# Altium PCB ALTAIR_PD_Soldier_V26.1a.PcbDoc (part 1 of 2) (continued)
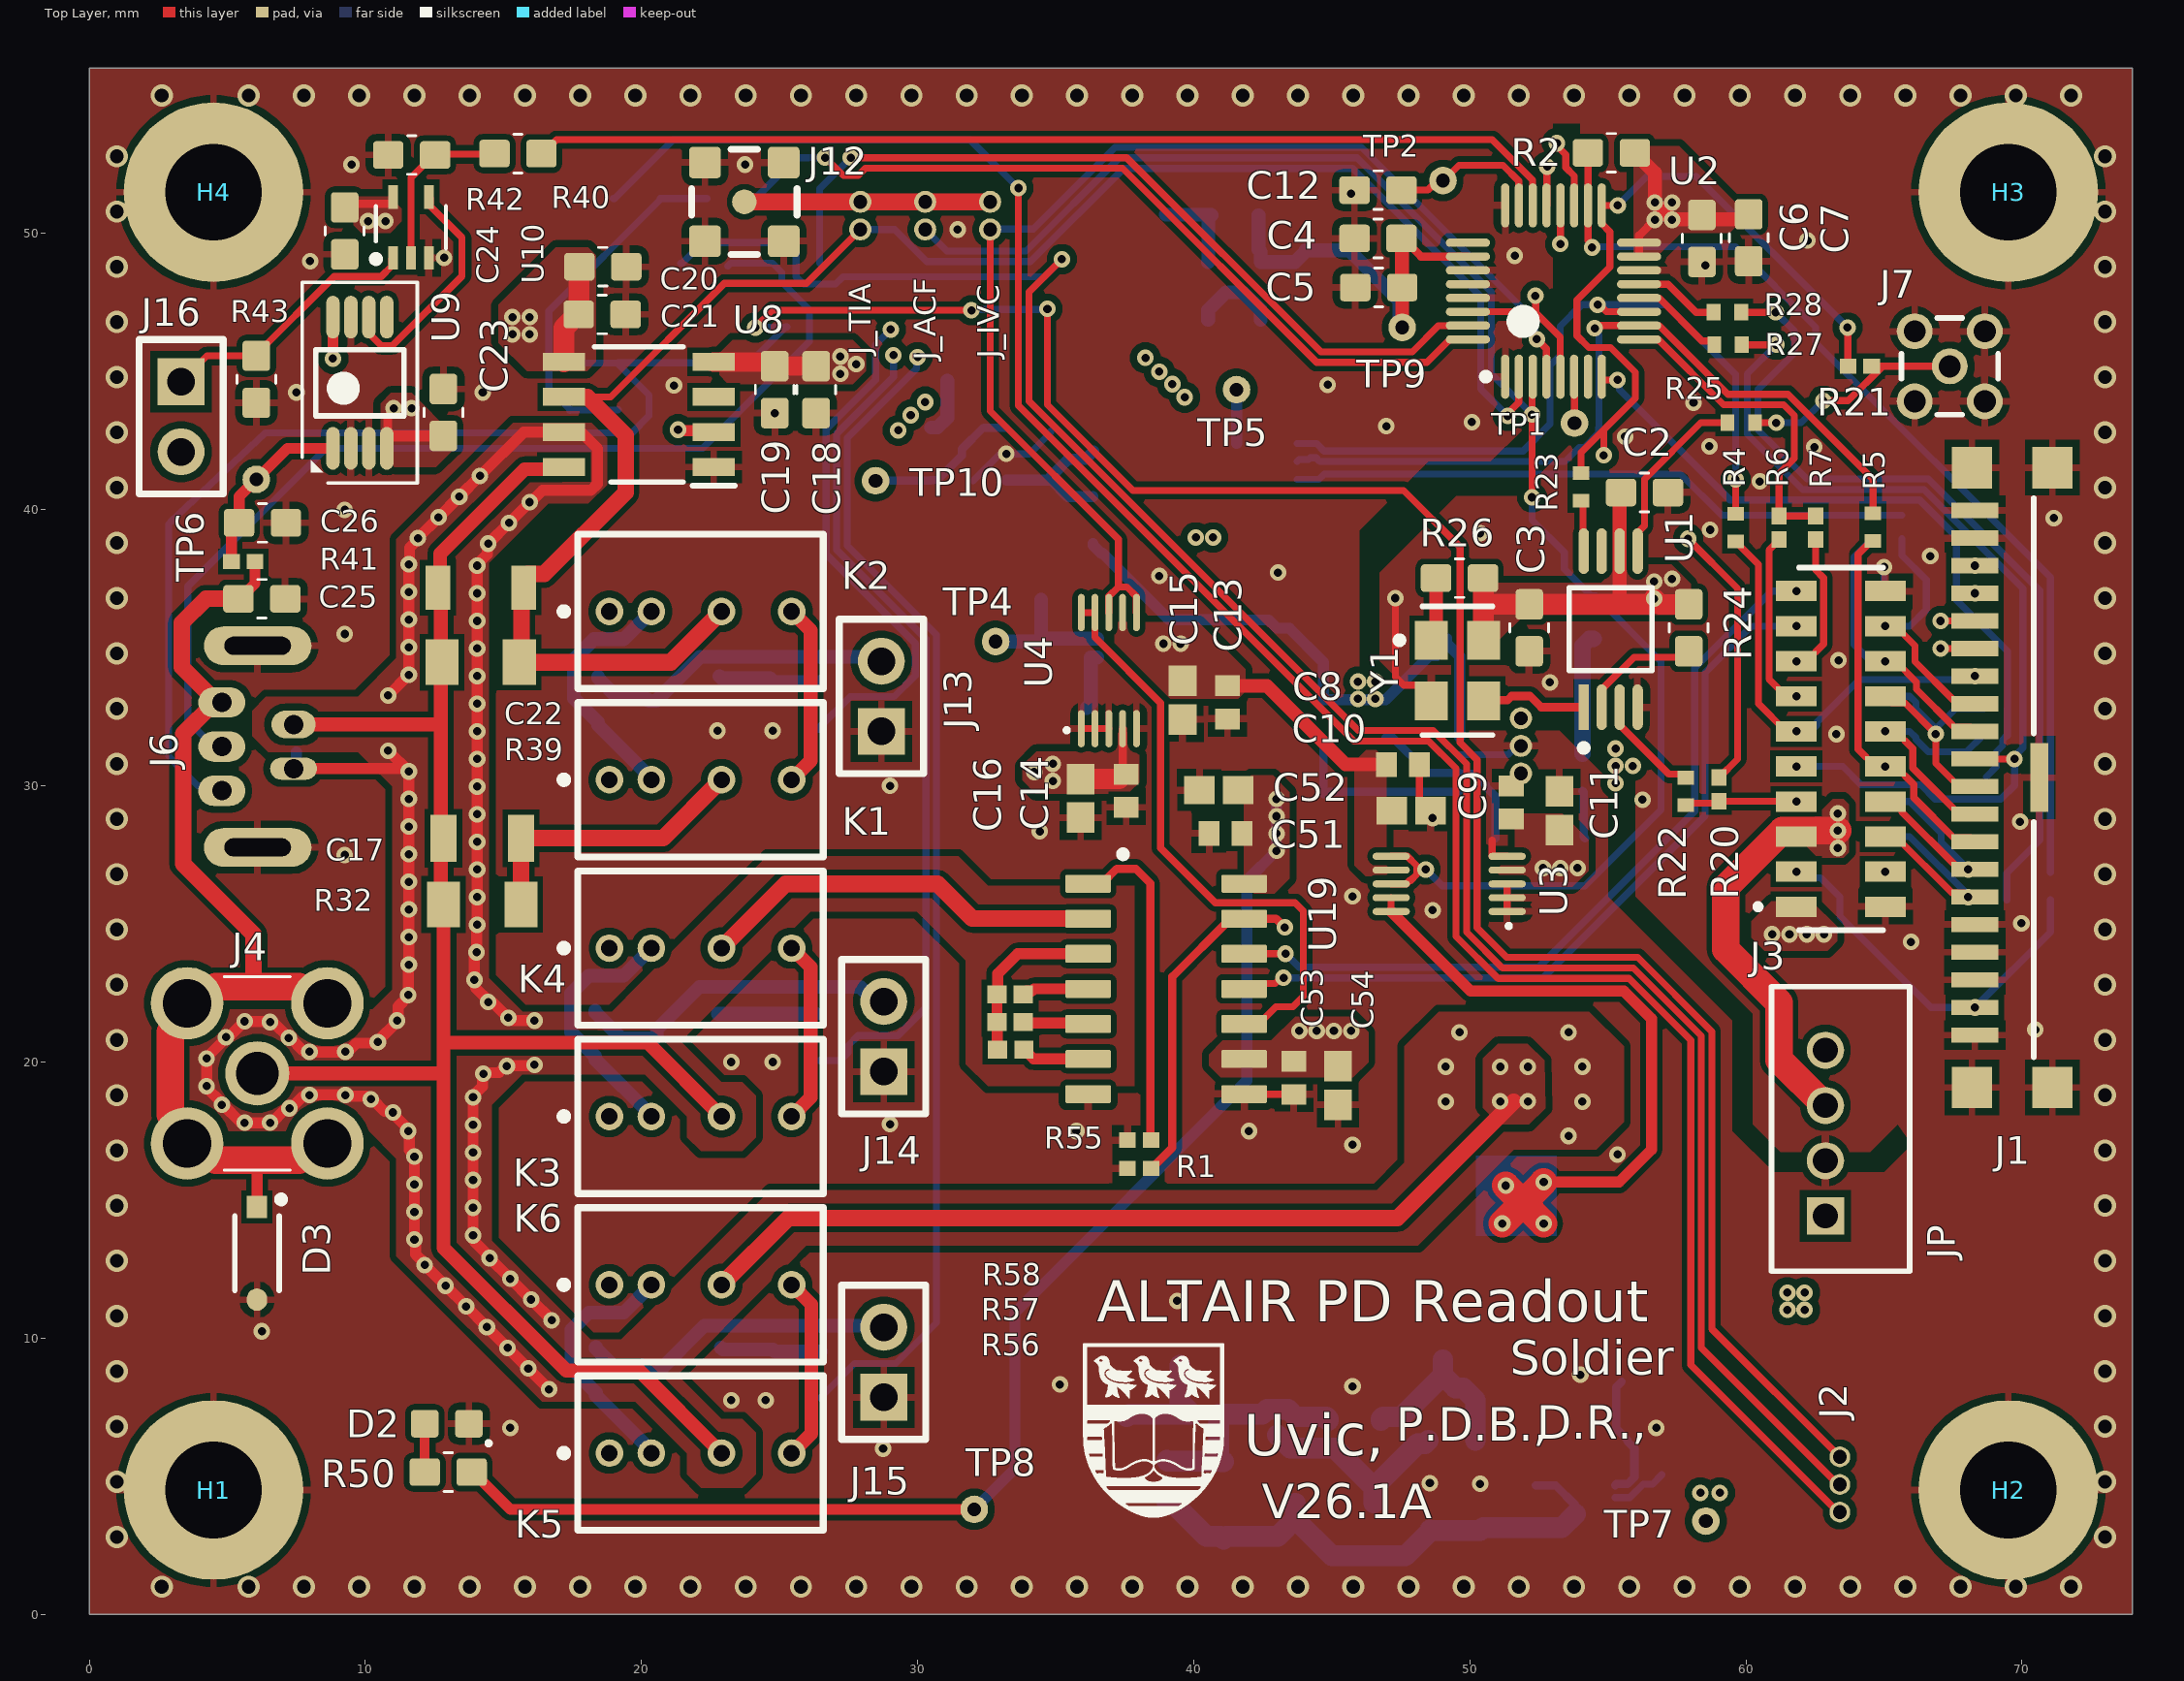
[diagram p0: Top Layer view]
## Part data (continued)
D3: library part Zener, "DIODE ZENER SOD123"
H1 H2 H3 H4: "(Plated) Mounting hole"
J1: "20x1 Header SMD", Manufacturer_Name=Hirose, Manufacturer_Part_Number=DF19-20P-1V(52), Mouser Part Number=798-DF1920P1V52, Datasheet Link=https://www.hirose.com/en/product/document?clcode=CL0685-0037-0-52&productname=DF19-20P-1V(52)&series=DF19&documenttype=2DDrawing&lang=en&documentid=0001394451, Height=5.37mm, Mouser Price/Stock=https://www.mouser.co.uk/ProductDetail/Hirose-Connector/DF19-20P-1V52?qs=QNEnbhJQKvayaXitD7MtBA%3D%3D
J2: "3x1 Header SMD", Manufacturer_Name="GCT (GLOBAL CONNECTOR TECHNOLOGY)", Datasheet Link=https://www.mouser.com/datasheet/2/837/BC020-1948594.pdf, Height=3.2mm, Manufacturer_Part_Number=BC020-03-A-0200-0300-L-G
J3 J5: "10x2 Stacking Header SMD /  / 20 Position Receptacle Connector 0.050 (1.27mm) Surface Mount, Right Angle Gold", Package=None, Check_prices=https://www.snapeda.com/parts/CLP-110-02-L-D/Samtec/view-part/?ref=eda, MF=Samtec, MP=CLP-110-02-L-D, SnapEDA_Link=https://www.snapeda.com/parts/CLP-110-02-L-D/Samtec/view-part/?ref=snap
J4: "Coaxial, SMA Female Jack, 50 Ohm, Through-Hole", Manufacturer_Name="Wurth Elektronik", Mouser Part Number=710-60312002114503, Datasheet Link=https://katalog.we-online.de/em/datasheet/60312002114503.pdf, Height=9.56mm, Manufacturer_Part_Number=60312002114503, Mouser Price/Stock=https://www.mouser.co.uk/ProductDetail/Wurth-Elektronik/60312002114503?qs=3jNSNtuqJTL%2FGpZA1FAOxw%3D%3D
J6: "Conn Mini-USB RCP 5 POS Solder ST Thru-Hole 5 Terminal 1 Port", Color=Black, Flammability Rating="UL94 V-0", Manufacturer 1="Amphenol Commercial", Manufacturer Part Number 1=UE25BE5510H, Supplier Part Number 1=UE25BE5510H-ND, Category="USB Connectors", ComponentLink1Description=http://components.arrow.com/part/dataview/0323_00956300?src-supplier=Arrow+Europe, ComponentLink1URL=http://components.arrow.com/part/dataview/0323_00956300?src-supplier=Arrow+Europe, ComponentLink2Description=http://www.alliedelec.com/m/d/e7e3d7a920045eebbdef787e60d8b001.pdf?src-supplier=Allied+Electronics, ComponentLink2URL=http://www.alliedelec.com/m/d/e7e3d7a920045eebbdef787e60d8b001.pdf?src-supplier=Allied+Electronics, ComponentLink3Description=https://www.amphenolcanada.com/ProductSearch/drawings/AC/UE25BEX510X.pdf?src-supplier=Digi-Key, ComponentLink3URL=https://www.amphenolcanada.com/ProductSearch/drawings/AC/UE25BEX510X.pdf?src-supplier=Digi-Key, Contact Material="Copper Alloy", Contact Plating=Gold, Features="High Temperature", Gender=Female, Lead Free="Lead Free", Mount="Through Hole", Number of Contacts=5, Number of Positions=5, RoHS=Yes, Stock 1=6446, Supplier 1=Digi-Key, Termination=PCB
J7: library part CMP-207975-000001-3, "Rf Coaxial, Mmcx Jack, 50 Ohm, Pcb Rohs Compliant: Yes", Dielectric Material=PTFE, Insulation Resistance=1GΩ, Max Operating Temperature=155°C, Min Operating Temperature=-55°C, Voltage Rating=170V, Connector Type=MMCX, Contact Material="Gold, Nickel", Height=4.6mm, Impedance=50Ω, Insertion Loss (dB)=0.25dB, Insulation Material=PTFE, Number of Contacts=1, RoHS=Compliant
J8: library part Pogo_Pad_NoGuard, "Pad for Pogo Pins without Guard"
J9 J10 J11: "2x1 Spring-Loaded SMD 50mil Pitch"
J12: library part MMCX_recp, "Conn MMCX F 50Ohm Solder ST SMD Gold Tray", Case/Package=SMA, Dielectric Material=PTFE, Housing Color=Gold, Manufacturer=Molex, Manufacturer Part Number=0734152061, Manufacturer Part Number 1=73391-0070, Max Frequency=6GHz, Max Operating Temperature=165°C, Min Operating Temperature=-55°C, Package Quantity=1600, Supplier Part Number 1=WM5560-ND, Voltage Rating=170V, Body Material=Brass, Body Plating=Gold, Category="RF / Coaxial Connectors", ComponentLink1Description=https://datasheet.ciiva.com/30257/448910733910070-rf-coax-nectors-30257114.pdf?src-supplier=Onlinecomponents.com, ComponentLink1URL=https://datasheet.ciiva.com/30257/448910733910070-rf-coax-nectors-30257114.pdf?src-supplier=Onlinecomponents.com, ComponentLink2Description=https://datasheet.ciiva.com/5175/0733910070-rf-coax-connectors-173128-5175036.pdf?src-supplier=Mouser, ComponentLink2URL=https://datasheet.ciiva.com/5175/0733910070-rf-coax-connectors-173128-5175036.pdf?src-supplier=Mouser, ComponentLink3Description=https://datasheet.ciiva.com/15172/getdatasheetpartid-226633-15172901.pdf?src-supplier=Verical, ComponentLink3URL=https://datasheet.ciiva.com/15172/getdatasheetpartid-226633-15172901.pdf?src-supplier=Verical, ComponentLink4Description=https://datasheet.ciiva.com/9419/0733910070-rf-coax-connectors-9419351.pdf?src-supplier=Avnet, ComponentLink4URL=https://datasheet.ciiva.com/9419/0733910070-rf-coax-connectors-9419351.pdf?src-supplier=Avnet, ComponentLink5Description=https://datasheet.ciiva.com/16677/0733910070-rf-coax-connectors-16677276.pdf?src-supplier=Avnet+Europe, ComponentLink5URL=https://datasheet.ciiva.com/16677/0733910070-rf-coax-connectors-16677276.pdf?src-supplier=Avnet+Europe, ComponentLink6Description=https://datasheet.ciiva.com/15237/133380734152061-rf-coax-nectors-15237680.pdf?src-supplier=Arrow+Europe, ComponentLink6URL=https://datasheet.ciiva.com/15237/133380734152061-rf-coax-nectors-15237680.pdf?src-supplier=Arrow+Europe, ComponentLink7Description=https://datasheet.ciiva.com/18494/734152061-sd-18494866.pdf?src-supplier=Digi-Key, ComponentLink7URL=https://datasheet.ciiva.com/18494/734152061-sd-18494866.pdf?src-supplier=Digi-Key, ComponentLink8Description=https://datasheet.ciiva.com/3951/128690734152061-rf-coax-nectors-3951867.pdf?src-supplier=Arrow+Electronics, ComponentLink8URL=https://datasheet.ciiva.com/3951/128690734152061-rf-coax-nectors-3951867.pdf?src-supplier=Arrow+Electronics, Connector Type=PCB,SMA,Coaxial, Contact Material=Copper, Contact Plating=Gold, Depth=6.08mm, Fastening Type=Snap, Gender=Female, Halogen Free="Low Halogen", Impedance=50R, Insulation Material=Teflon, Lead Free="Lead Free", Length=6.08mm, Manufacturer 1=Molex, Mount="Through Hole", Orientation=Straight, Packaging=Bulk, Plating=Gold, Pricing 1="1=2.42000, 10=2.19800, 25=2.06320, 50=1.97360, 100=1.88390, 250=1.70448, 500=1.56992, 1000=1.34565, 2500=1.25594 (USD)", Radiation Hardening=No, REACH SVHC=Unknown, RoHS=Yes, Stock 1=31911, Supplier 1=Digi-Key, Termination=Solder
J13 J14 J15 J16: library part "Jumper 2POS", "CONN HEADER VERT 2POS", Operating Temperature="-55°C ~ 125°C", Supplier Part Number 1=SAM1068-01-ND, Supplier 1=Digi-Key
J_ACF J_IVC J_TIA: library part BC020-02-A-0200-0300-L-G, "2x1 Header SMD", Manufacturer_Name="GCT (GLOBAL CONNECTOR TECHNOLOGY)", Mouser Part Number=640-BC02002A02300LG, Datasheet Link=https://gct.co/connector/bc020, Manufacturer_Part_Number=BC020-02-A-0200-0300-L-G, Mouser Price/Stock=https://www.mouser.co.uk/ProductDetail/GCT/BC020-02-A-0200-0300-L-G?qs=KUoIvG%2F9IlakgsojlT9P9w%3D%3D
JP: "4x1 Header SMD Partial Shroud", Manufacturer_Name="TE Connectivity", Mouser Part Number=571-440054-4, Arrow Part Number=440054-4, Arrow Price/Stock=https://www.arrow.com/en/products/440054-4/te-connectivity?utm_currency=USD&region=europe, Datasheet Link=https://www.te.com/commerce/DocumentDelivery/DDEController?Action=srchrtrv&DocNm=1-1773713-2_HPI_QRG_EN&DocType=Data%20Sheet&DocLang=English&PartCntxt=440054-4&DocFormat=pdf, Height=6.35mm, Manufacturer_Part_Number=440054-4, Mouser Price/Stock=https://www.mouser.co.uk/ProductDetail/TE-Connectivity/440054-4?qs=JFPmFzpscO7310iGSDds%2FA%3D%3D
K1 K2 K3 K4 K5 K6: library part "RELAY 118-A-5/2D", "High coil resistance SIL/SIP Reed Relay 118-A-5/2D"
L1 L2: library part IND, "Inductor, Any, Must choose footprint manually", Case Code (Imperial)=1210, Case Code (Metric)=3225, Current Rating=900mA, DC Resistance (DCR)=172.9mR, Inductance Tolerance=20%, Max Operating Temperature=105°C, Min Operating Temperature=-40°C, Package Quantity=1000, Resistor Type=Wirewound, Self Resonant Frequency=23MHz, Test Frequency=100kHz, Case/Package=1210, Core Material=Ferrite, DC Current=900mA, Depth=2.7mm, Halogen Free="Halogen Free", Height=2.5mm, Height - Seated (Max)=0.106inch, Inductance=10uH, Lead Free="Lead Free", Length=3.4mm, Max DC Current=900mA, Military Standard=Not, Mount="Surface Mount", Number of Pins=2, Packaging="Tape and Reel", Radiation Hardening=No, Saturation Current=900mA, Series=CB, Shielding=Unshielded, Termination=SMD/SMT, Tolerance=20%, Width=0.098inch
NTC1: library part "THERM_RES NTC 0603 10K 1%", "THERMISTOR NTC 10KOHM 3380K 0603", Case Code (Imperial)=0603, Case Code (Metric)=1608, Manufacturer 1=Murata, Manufacturer Part Number 1=NCU18XH103F60RB, Max Operating Temperature=125°C, Min Operating Temperature=-40°C, Supplier Part Number 1=490-16279-1-ND, Case/Package=0603, Category=Thermistors, ComponentLink1Description=http://www.farnell.com/datasheets/2095755.pdf?src-supplier=Farnell, ComponentLink1URL=http://www.farnell.com/datasheets/2095755.pdf?src-supplier=Farnell, ComponentLink2Description=https://www.murata.com/en-us/products/productdata/8796836233246/L0770E.pdf?src-supplier=Digi-Key, ComponentLink2URL=https://www.murata.com/en-us/products/productdata/8796836233246/L0770E.pdf?src-supplier=Digi-Key, ComponentLink3Description=http://www.farnell.com/datasheets/2095755.pdf?src-supplier=Element14, ComponentLink3URL=http://www.farnell.com/datasheets/2095755.pdf?src-supplier=Element14, REACH SVHC="No SVHC", RoHS=No, Stock 1=48580, Supplier 1=Digi-Key
R1 R2 R3 R4 R5 R6 R7 R8 R9 R10 R11 R12 R13 R14 R15 R16 R17 R18 R19 R20 R21 R22 R23 R24 R25 R26 R27 R28 R29 R30 R31 R32 R33 R34 R35 R36 R37 R38 R39 R40 R41 R42 R43 R44 R45 R46 R47 R48 R49 R50 R51 R52 R53 R54 R55 R56 R57 R58 R59 R60: library part RES, "Res, Any, Manually select footprint"
U1: "LVCMOS CLOCK BUFFER 3-CHANNEL"
U2: "24BIT ADC Delta-Sigma 4k samples/s PGA V-reference", Case/Package=LQFP, Manufacturer 1="Texas Instruments", Max Operating Temperature=125°C, Min Operating Temperature=-50°C, Supplier Part Number 1=296-45170-1-ND, Category="Analog to Digital Converters (ADCs)", ComponentLink1Description=http://www.ti.com/general/docs/lit/getliterature.tsp?genericPartNumber=ADS124S08&fileType=pdf&src-supplier=Farnell, ComponentLink1URL=http://www.ti.com/general/docs/lit/getliterature.tsp?genericPartNumber=ADS124S08&fileType=pdf&src-supplier=Farnell, ComponentLink2Description=http://www.ti.com/lit/ds/symlink/ads124s06.pdf?src-supplier=Digi-Key, ComponentLink2URL=http://www.ti.com/lit/ds/symlink/ads124s06.pdf?src-supplier=Digi-Key, Interface=SPI, Manufacturer Part Number 1=ADS124S08IPBSR, Mount="Surface Mount", Number of A/D Converters=1, Number of Bits=24, Number of Inputs=12, Number of Pins=32, Packaging="Tape and Reel", RoHS=No, Sampling Rate=4000S/s, Stock 1=2523, Supplier 1=Digi-Key
U3 U4: "Programmable Gain Amplifier - Single Channel, Precision, -13 to 14 Gain Selectable Operational Amplifier, 0.56 MHz Typical GBW, 0.12 V/us Typical SR, 2.4 to 40 V, 10-Pin SOP (MS-10), Industial, Pb-Free, Reel", Linear Technology Part Number=LT1991, Manufacturer="Linear Technology", Channels (#)=1, ComponentLink1Description="Manufacturer URL", ComponentLink1URL=http://www.linear.com/, ComponentLink2Description=Datasheet, ComponentLink2URL=http://cds.linear.com/docs/en/datasheet/1991fh.pdf, ComponentLink3Description="Package Specification", ComponentLink3URL=http://cds.linear.com/docs/en/packaging/MSOP_10_05-08-1661.pdf, DatasheetVersion="Rev. H", GBW (MHz) Typical=0.56, Is (mA) Typical=0.1, Mounting Technology="Surface Mount", PackageDescription="10-Lead Plastic MSOP, Body 3 x 3 mm, Pitch 0.5 mm", PackageReference=LT-MS-10, PackageVersion="Rev E", Packing=Reel, PartNumber=LT1991IMS#TRPBF, RevisionNote="URLs updated", RoHS=Pb-Free, SR (V/us) Typical=0.12, Type=SGA, Vos (mV) Guaranteed=0.05, Vos (mV) Typical=0.015, Vs Max (V)=40, Vs Min (V)=2.4
U5 U6 U7: library part "NMOS DMG2302UK", "DIODES INC. Power MOSFET, N Channel, 20 V, 2.8 A, 0.061 ohm, SOT-23, Surface Mount", Case/Package=TO-236-3, Continuous Drain Current (ID)=2.8A, Drain to Source Voltage (Vdss)=20V, Input Capacitance=130pF, Manufacturer=Vishay, Manufacturer 1=Diodes, Manufacturer Part Number=Si7414DN, Manufacturer Part Number 1=DMG2302UK-7, Max Operating Temperature=150°C, Max Power Dissipation=660mW, Min Operating Temperature=-55°C, Supplier Part Number=SI7414DN-T1-E3CT-ND, Supplier Part Number 1=DMG2302UK-7DICT-ND, Category=MOSFETs, ComponentLink1Description=http://www.farnell.com/datasheets/2814387.pdf?src-supplier=Farnell, ComponentLink1URL=http://www.farnell.com/datasheets/2814387.pdf?src-supplier=Farnell, ComponentLink2Description=http://www.farnell.com/datasheets/2814387.pdf?src-supplier=Element14, ComponentLink2URL=http://www.farnell.com/datasheets/2814387.pdf?src-supplier=Element14, ComponentLink3Description=https://www.diodes.com/assets/Datasheets/DMG2302UK.pdf?src-supplier=Digi-Key, ComponentLink3URL=https://www.diodes.com/assets/Datasheets/DMG2302UK.pdf?src-supplier=Digi-Key, ComponentLink4Description=http://www.farnell.com/datasheets/2814387.pdf?src-supplier=Newark, ComponentLink4URL=http://www.farnell.com/datasheets/2814387.pdf?src-supplier=Newark, Last Edited By="Russell Burge", Last Edited On=3/9/2016, Mount="Surface Mount", Packaging="Tape and Reel", Rds On Max=90mR, RoHS=Yes, Stock 1=551704, Supplier=Digikey, Supplier 1=Digi-Key
U8: "Op Amp, 36V, fA input, precision, e-trim", Manufacturer_Name="Texas Instruments", Mouser Part Number=595-OPA928DR, Arrow Part Number=OPA928DR, Arrow Price/Stock=null?region=nac, Datasheet Link=https://www.ti.com/lit/ds/symlink/opa928.pdf?HQS=dis-mous-null-mousermode-dsf-pf-null-wwe&ts=1731036524091&ref_url=https%253A%252F%252Fwww.ti.com%252Fgeneral%252Fdocs%252Fsuppproductinfo.tsp%253FdistId%253D26%2526gotoUrl%253Dhttps%253A%252F%252Fwww.ti.com, Height=1.75mm, Manufacturer_Part_Number=OPA928DR, Mouser Price/Stock=https://www.mouser.co.uk/ProductDetail/Texas-Instruments/OPA928DR?qs=2wMNvWM5ZX5RgAZJHoeYSw%3D%3D
U9: "Analog Switch Single SPDT 8-Pin MSOP T/R", Case/Package=MSOP, Dual Supply Voltage=15V, Manufacturer="Analog Devices", Max Dual Supply Voltage=16.5V, Max Operating Temperature=125°C, Max Power Dissipation=2mW, Max Supply Current=95uA, Min Dual Supply Voltage=4.5V, Min Operating Temperature=-40°C, Min Supply Voltage=5V, On-State Resistance=2.4R, Operating Supply Voltage=12V, Package Quantity=1000, Supplier Part Number 1=ADG1419BRMZ-REEL7CT-ND, Test Frequency=1MHz, -3db Bandwidth=135MHz, Bandwidth=135MHz, Category="Decoders and Multiplexers", ComponentLink1Description=https://datasheet.ciiva.com/15127/getdatasheetpartid-348881-15127783.pdf?src-supplier=Verical, ComponentLink1URL=https://datasheet.ciiva.com/15127/getdatasheetpartid-348881-15127783.pdf?src-supplier=Verical, ComponentLink2Description=https://datasheet.ciiva.com/14846/adg1419-14846917.pdf?src-supplier=Digi-Key, ComponentLink2URL=https://datasheet.ciiva.com/14846/adg1419-14846917.pdf?src-supplier=Digi-Key, ComponentLink3Description=https://datasheet.ciiva.com/14846/adg1419-14846919.pdf?src-supplier=Digi-Key, ComponentLink3URL=https://datasheet.ciiva.com/14846/adg1419-14846919.pdf?src-supplier=Digi-Key, ComponentLink4Description=https://datasheet.ciiva.com/16637/adg1419-16637818.pdf?src-supplier=Avnet+Europe, ComponentLink4URL=https://datasheet.ciiva.com/16637/adg1419-16637818.pdf?src-supplier=Avnet+Europe, ComponentLink5Description=https://datasheet.ciiva.com/2980/adg1419-2980845.pdf?src-supplier=Avnet, ComponentLink5URL=https://datasheet.ciiva.com/2980/adg1419-2980845.pdf?src-supplier=Avnet, ComponentLink6Description=https://datasheet.ciiva.com/48708/001247710-da-01-en-ic-switch-2-adg1419brmz-reel7-msop-8-adi-48708556.pdf?src-supplier=Conrad, ComponentLink6URL=https://datasheet.ciiva.com/48708/001247710-da-01-en-ic-switch-2-adg1419brmz-reel7-msop-8-adi-48708556.pdf?src-supplier=Conrad, Contact Plating=Tin,Matte, Insertion Loss=0.16dB, Interface=Parallel, Lead Free="Contains Lead", Manufacturer Part Number=ADG1419BRMZ-REEL7, Max Supply Voltage=16.5V, Number of Channels=1, Number of Circuits=1, Number of Inputs=1, Number of Outputs=2, Number of Pins=8, Packaging="Tape and Reel", Polarity=Non-Inverting, Power Dissipation=2mW, Pricing 1="1=4.40000, 10=3.95100, 25=3.73520, 100=3.07100, 250=2.75560, 500=2.65600 (USD)", Radiation Hardening=No, RoHS=Yes, Stock 1=12144, Supplier 1=Digi-Key, Supply Type=Single,Dual, Throw Configuration=SPDT, Turn-Off Delay Time=140ns, Turn-On Delay Time=110ns
U10: "OR Gate 1 Channel Low-Voltage CMOS SC-70-5", Current - Output High, Low="32mA, 32mA", Current - Quiescent (Max)=10µA, Device Package="5-TSSOP, SC-70-5, SOT-353", Manufacturer="Texas Instruments", Operating Temperature="-40°C ~ 125°C", Supplier Device Package=SC-70-5, Supplier Part Number 1=296-9848-1-ND, Voltage - Supply="1.65V ~ 5.5V", ComponentLink1Description=Datasheet, ComponentLink1URL=http://www.ti.com/general/docs/suppproductinfo.tsp?distId=10&gotoUrl=http%3A%2F%2Fwww.ti.com%2Flit%2Fgpn%2Fsn74lvc1g32, ComponentLink2Description="DigiKey Link", ComponentLink2URL=http://digikey.com/product-detail/en/texas-instruments/SN74LVC1G32DCKR/296-9848-1-ND/380106, LastUpdated="2020-01-31 3:20:00 AM", Lifecycle Status=Active, Logic Level - High="1.7V ~ 2V", Logic Level - Low="0.7V ~ 0.8V", Logic Type="OR Gate", Max Propagation Delay @ V, Max CL="4ns @ 5V, 50pF", Minimum Order=1, Mounting Type="Surface Mount", Number of Circuits=1, Number of Inputs=2, Package / Case="5-TSSOP, SC-70-5, SOT-353", Packaging=TapeAndReel, Part Number=SN74LVC1G32DCKR, Part Status=Active, PartId=3, Price=0.05, Series=74LVC, Supplier 1=DigiKey
U11: "-20V 500mA Ultralow Noise Ultrahigh PSRR Adjustable Negative Linear Regulator 12DFN", RoHS Compliant=Yes
U12: library part LM2611AMF, "1.4MHz Cuk Converter, 5-pin SOT-23, Pb-Free", Manufacturer="Texas Instruments", PackageTopMarking=S40A*XTT, PowerWise=N, ComponentLink1Description="Datasheet URL", ComponentLink1URL=http://www.ti.com/general/docs/lit/getliterature.tsp?genericPartNumber=LM2611&fileType=pdf, CompType=Switcher, PackageDescription="Molded SOT-23, .115 x .063 x .040 in Body, 5 Lead, .0375 in Pitch", PackageReference=DBV0005A, PinCount=5, RoHS=Y
U13: "20V 500mA Ultralow Noise Ultrahigh PSRR Adjustable Linear Regulator 260V Dropout MSOP-12", Case/Package=MSOP, Dropout Voltage=260mV, Manufacturer 1="Analog Devices / Linear Technology", Manufacturer Part Number 1=LT3045EMSE#PBF, Max Operating Temperature=125°C, Min Current Limit=570mA, Min Operating Temperature=-40°C, Output Current=500mA, Output Voltage=15V, Supplier Part Number 1=LT3045EMSE#PBF-ND, ComponentLink1Description=http://www.farnell.com/datasheets/2163219.pdf?src-supplier=Farnell, ComponentLink1URL=http://www.farnell.com/datasheets/2163219.pdf?src-supplier=Farnell, ComponentLink2Description=http://www.linear.com/docs/55649?src-supplier=Digi-Key, ComponentLink2URL=http://www.linear.com/docs/55649?src-supplier=Digi-Key, Number of Regulators=1, RoHS=Yes, Stock 1=1588, Supplier 1=Digi-Key
U14: "1.2-40V 200mA Low Noise CMOS LDO Adjustable Linear Regulator TSOT23", Ambient Temperature Range High=+125°C, Ambient Temperature Range Low=-40°C, Dropout Voltage=200mV, Manufacturer="Analog Devices", Max Junction Temp=+150°C, Max Supply Voltage=40V, Min Supply Voltage=2.7V, Nominal Supply Current=50-180uA, Output Current=200mA, Output Voltage=1.2-5V, Package=UJ-5, Temperature="-40°C to +125°C", Accuracy Percentage=0.8%, Automotive=No, Category=IC, ComponentLink2Description=Datasheet, ComponentLink2URL=https://www.analog.com/media/en/technical-documentation/data-sheets/ADP7142.pdf, Device Class L1="Integrated Circuits (ICs)", Device Class L2="Power Management ICs", Device Class L3="Voltage Regulators - Linear", Digikey Description="IC REG LIN POS ADJ 200MA TSOT23", Height=1mm, Lead Free=Yes, Manufacturer Part Number=ADP7142AUJZ-R7, Mouser Description="LDO Regulator Pos 1.5V to 5V 0.2A 5-Pin TSOT-23 T/R", Number of Outputs=1, Octopart=https://octopart.com/adp7142aujz-r7-analog+devices-38928114, Output Type=AdjustableProgrammable, RoHS=TRUE, Temperature Range High=+125°C, Temperature Range Low=-40°C
U15: library part OPA182IDBVR, "Op amp, Highest-precision, 36-V, 5-MHz, single, low-noise, zero-drift, MUX-friendly amplifier 5-SOT-23 -40 to 125", Manufacturer_Name="Texas Instruments", Copyright="Copyright (C) 2025 Ultra Librarian. All rights reserved.", Manufacturer_Part_Number=OPA182IDBVR, RefDes=RefDes, Type=Type
U16: library part REF5050IDGKR, "5V±0.05% Voltage Reference 8VSSOP", Case/Package=VSSOP, Manufacturer="Texas Instruments", Max Input Voltage=18V, Max Operating Temperature=125°C, Max Output Current=10mA, Max Output Voltage=5V, Min Input Voltage=5.2V, Min Operating Temperature=-40°C, Nominal Supply Current=800uA, Operating Supply Current=1.2mA, Package Quantity=1, Supplier Part Number 1=296-27505-1-ND, Temperature Coefficient=3ppm/°C, Tolerance=0.05%, Category="Voltage References", ComponentLink1Description=https://datasheet.ciiva.com/2007/ref5020-2007532.pdf?src-supplier=Digi-Key, ComponentLink1URL=https://datasheet.ciiva.com/2007/ref5020-2007532.pdf?src-supplier=Digi-Key, ComponentLink2Description=https://datasheet.ciiva.com/14197/ref5050-14197084.pdf?src-supplier=Avnet, ComponentLink2URL=https://datasheet.ciiva.com/14197/ref5050-14197084.pdf?src-supplier=Avnet, ComponentLink3Description=https://datasheet.ciiva.com/2007/ref5020-2007533.pdf?src-supplier=Digi-Key, ComponentLink3URL=https://datasheet.ciiva.com/2007/ref5020-2007533.pdf?src-supplier=Digi-Key, ComponentLink4Description=https://datasheet.ciiva.com/2007/ref5020-2007534.pdf?src-supplier=Digi-Key, ComponentLink4URL=https://datasheet.ciiva.com/2007/ref5020-2007534.pdf?src-supplier=Digi-Key, ComponentLink5Description=https://datasheet.ciiva.com/41462/001014471-da-01-en-ic-vref-series-ref5050idgkr-vssop-8-tid-41462326.pdf?src-supplier=Conrad, ComponentLink5URL=https://datasheet.ciiva.com/41462/001014471-da-01-en-ic-vref-series-ref5050idgkr-vssop-8-tid-41462326.pdf?src-supplier=Conrad, Lead Free="Lead Free", Manufacturer Part Number=REF5050IDGKR, Min Output Voltage=5V, Number of Channels=1, Number of Pins=8, Output Current=10mA, Output Type=Fixed, Output Voltage=5V, Packaging="Tape and Reel", Pricing 1="1=6.18000, 10=5.58100, 25=5.32200, 100=4.41320, 250=4.02380, 500=3.76420, 1000=3.45268 (USD)", Quiescent Current=800uA, Radiation Hardening=No, Reference Type=Series, RoHS=Yes, Stock 1=2539, Supplier 1=Digi-Key, Weight=0.00067oz
U17: "DAC 8bit 1 channel SPI Supply Reference Buffered Voltage"
U19: library part IVC102/SO_5, "Precision Switched Integrator Transimpedance Amplifier", Part Reference=U1
Y1: "MEMS OSC XO 33.33333MHZ H/LVCMOS", Case/Package=SMD/SMT, Frequency=33.33333MHz, Frequency Stability=50ppm, Max Operating Temperature=70°C, Max Supply Current=4.5mA, Min Operating Temperature=-20°C, Height=0.032inch, Length=0.126inch, Mount="Surface Mount", Packaging="Tape and Reel", RoHS Compliant=Yes, Series=SIT1602, Width=0.098inch

## Via types
v1: diameter 0.6, hole 0.3, Top Layer to Bottom Layer, tented both sides, 290 vias
v2: diameter 0.8, hole 0.5, Top Layer to Bottom Layer, 122 vias
v3: diameter 0.6, hole 0.3, Top Layer to Bottom Layer, 1 vias

## Nets (pads, with @x,y where several pads share a name; then routed paths per layer and width w, separated by ;. In a path a pad name is that pad's centre, name@x,y a point inside that pad or via, vN(x,y) a via of type N, cw(c..) or ccw(c..) an arc to the next point about the centre after c; other vN are vias at no path point)
7V5: C20.2 C21.2 C35.2 C36.2 C39.2 C42.2 C45.2 C51.2 C52.2 R48.2 R50.2 R59.2 TP8.1 U8.5 U13.10 U13.11 U13.12 U14.1 U14.3 U15.5 U16.2 U19.14 | length 78.6
  Top Layer w0.4: R50.2@13.85,5.15 13.9,5.15 15.25,3.8 TP8.1@32.05,3.8
  Top Layer w0.75: U8.5@17.188,45.355 17.188,46.588 17.675,47.075 C21.2@17.725,47.075 17.738,47.088 17.738,48.787 C20.2@17.75,48.8
  Bottom Layer w0.3: C42.2@49.2,35.125 C42.2@49.2,35.375
  Bottom Layer w0.4: TP8.1@32.05,3.8 33.525,5.275 33.525,10.925 41.925,19.325 41.925,26.575 v1(43,27.65) v1(43,28.275) v1(43,28.9) v1(43,29.525) ; R59.2@36.35,38.775 36.35,38.725 36.65,38.425 36.7,38.425 39.105,36.02 U16.2@40.95,36.02 40.96,36.01 42.715,36.01 43.013,35.712 43.463,35.712 44.7,34.475 R48.2@44.7,33.125 46.95,33.125 48.55,34.725 48.8,34.725 49.2,35.125 49.625,34.7 U13.12@49.625,33.075 U13.11@49.625,32.425 U13.10@49.625,31.775
  Bottom Layer w0.5: U15.5@30.485,42.975 30.72,42.975 31.075,43.33 C39.2@31.075,44.675 ; U14.3@40.521,46.871 40.521,47.223 41.172,47.875 41.778,47.875 42.421,47.232 U14.1@42.421,46.871
  other v1: 45.95,33.15 46.575,33.15 45.95,33.775 46.575,33.775 29.3,42.875 29.75,43.425 30.275,43.9 39.675,44.075 39.225,44.55 38.75,45 38.25,45.5 15.325,46.35 15.95,46.35 15.325,46.975 15.95,46.975
-15V: C9.2 C11.2 C14.2 C16.2 C18.2 C19.2 C28.1 C53.2 C54.2 TP7.1 U3.4 U4.4 U8.4 U11.10 U11.11 U11.12 U19.9 | length 7.2
  Top Layer w0.3: U4.4@37.425,32.075 37.425,30.55 C14.2@37.55,30.425
  Top Layer w0.7: U8.4@22.612,45.355 22.614,45.353 24.5,45.353 24.652,45.2 C18.2@26.325,45.2
  Top Layer w0.75: C16.2@35.9,30.251 37.301,30.251 37.475,30.425 C14.2@37.55,30.425
  other v1: 58.35,4.4 59.05,4.4 43.825,21.125 44.45,21.125 45.075,21.125 45.7,21.125 52.65,27.025 53.275,27.025 53.9,27.025 34.9,30.175 34.225,30.5 34.9,30.8 27.2,44.925 27.775,45.275 27.2,45.55
-16V5: C29.1 C30.1 C32.1 L2.2 R44.2 U11.1 U11.2 U11.3 U11.5 U11.13 | length 19.5
  Bottom Layer w0.3: U11.5@52.384,4.675 53.1,4.675 53.825,3.95 U11.13@53.825,3.635
  Bottom Layer w0.75: R44.2@39.025,4.075 39.2,4.075 40.45,2.825 40.975,2.825 C29.1@41.075,2.725 41.175,2.825 43.05,2.825 L2.2@43.674,3.449 ; L2.2@43.674,4.025 L2.2@43.674,3.449 ; U11.13@53.825,3.635 53.325,3.135 50.485,3.135 C32.1@50.375,3.025 50.362,3.038 48.562,3.038 C30.1@48.55,3.05 48.55,3 47.67,2.12 45.003,2.12 L2.2@43.674,3.449
\DRDY1: J1.15 J3.06 J5.15 R15.1 | length 8.3
  Top Layer w0.254: J3.06@65.05,28.165 65.418,28.165 67.46,26.123 67.902,26.123 v1(68.05,25.975)
  Bottom Layer w0.254: J5.15@65.22,28.165 65.93,28.165 68.05,26.045 v1(68.05,25.975) 68.1,25.925 68.55,25.925 R15.1@68.6,25.875
\DRDY2: J1.14 J3.08 J5.13 R16.1 | length 9
  Top Layer w0.254: J3.08@65.05,29.435 65.418,29.435 65.66,29.194 65.66,29.041 67.568,27.132 67.568,27.123 67.716,26.975 J1.14@68.291,26.975
  Bottom Layer w0.254: J5.13@65.22,29.435 65.93,29.435 67.068,28.297 67.068,27.957 68.113,26.913 68.537,26.913 R16.1@68.6,26.85
  other v1: 68.05,26.975
\SPI_CS1: J1.6 J3.13 J5.8 R6.1 | length 13.6
  Top Layer w0.254: R6.1@61.2,38.925 61.2,38.9 60.834,38.534 60.834,33.867 61.456,33.245 v1(61.824,33.245) ; v1(67.05,34.975) J1.6@68.291,34.975
  Layer 1 w0.254: v1(61.824,33.245) 65.32,33.245 v1(67.05,34.975)
\SPI_CS2: J1.5 J3.15 J5.6 R7.1 | length 13
  Top Layer w0.254: v1(61.824,34.515) 62.192,34.515 62.815,35.137 62.815,37.529 62.525,37.818 R7.1@62.525,38.925 ; v1(67.05,35.975) J1.5@68.291,35.975
  Layer 1 w0.254: v1(61.824,34.515) 62.471,33.868 65.318,33.868 66.149,34.699 66.149,35.074 v1(67.05,35.975)
\SPI_CS3: J1.9 J3.16 J5.5 R10.1 | length 9.7
  Top Layer w0.254: J3.16@65.418,34.515 66.175,33.758 66.175,33.5 67.552,32.123 68.143,32.123 J1.9@68.291,31.975
  Bottom Layer w0.254: R10.1@64.55,38.95 64.55,38.925 63.906,38.281 63.906,35.119 64.51,34.515 J5.5@65.22,34.515
  other v1: 65.05,34.515
\SPI_CS4: J1.8 J3.18 J5.3 R13.1 | length 9.2
  Top Layer w0.254: v1(65.05,35.785) 65.418,35.785 66.125,35.078 66.125,34.5 67.502,33.123 68.143,33.123 J1.8@68.291,32.975
  Bottom Layer w0.254: J5.3@65.22,35.785 65.93,35.785 66.534,36.389 66.534,37.459 65.65,38.343 R13.1@65.65,38.95
\SYS_RESET: J1.19 J3.03 J5.18 R3.1 | length 13.9
  Bottom Layer w0.254: v1(61.824,26.895) 62.047,26.672 62.703,26.672 63.4,25.975 63.4,25.275 66.7,21.975 v1(68.291,21.975) 71.025,24.709 R3.1@71.025,25.875
A5V: C8.2 C10.2 C13.2 C15.2 C47.2 C48.2 C49.2 C50.2 TP4.1 U3.7 U4.7 U16.6 U17.4 | length 12.2
  Top Layer w0.5: C13.2@41.225,33.625 42.65,33.625 45.5,30.775 C8.2@46.975,30.775
  Bottom Layer w0.5: TP4.1@32.825,35.225 C47.2@34.475,35.225 ; C48.2@34.475,36.75 C47.2@34.475,35.225 ; U16.6@36.5,35.33 34.58,35.33 C47.2@34.475,35.225
  other v1: 38.9,35.15 39.525,35.15 40.075,39 40.7,39